# Allegro board BeagleBoard-X15_RevA2.brd (continued)
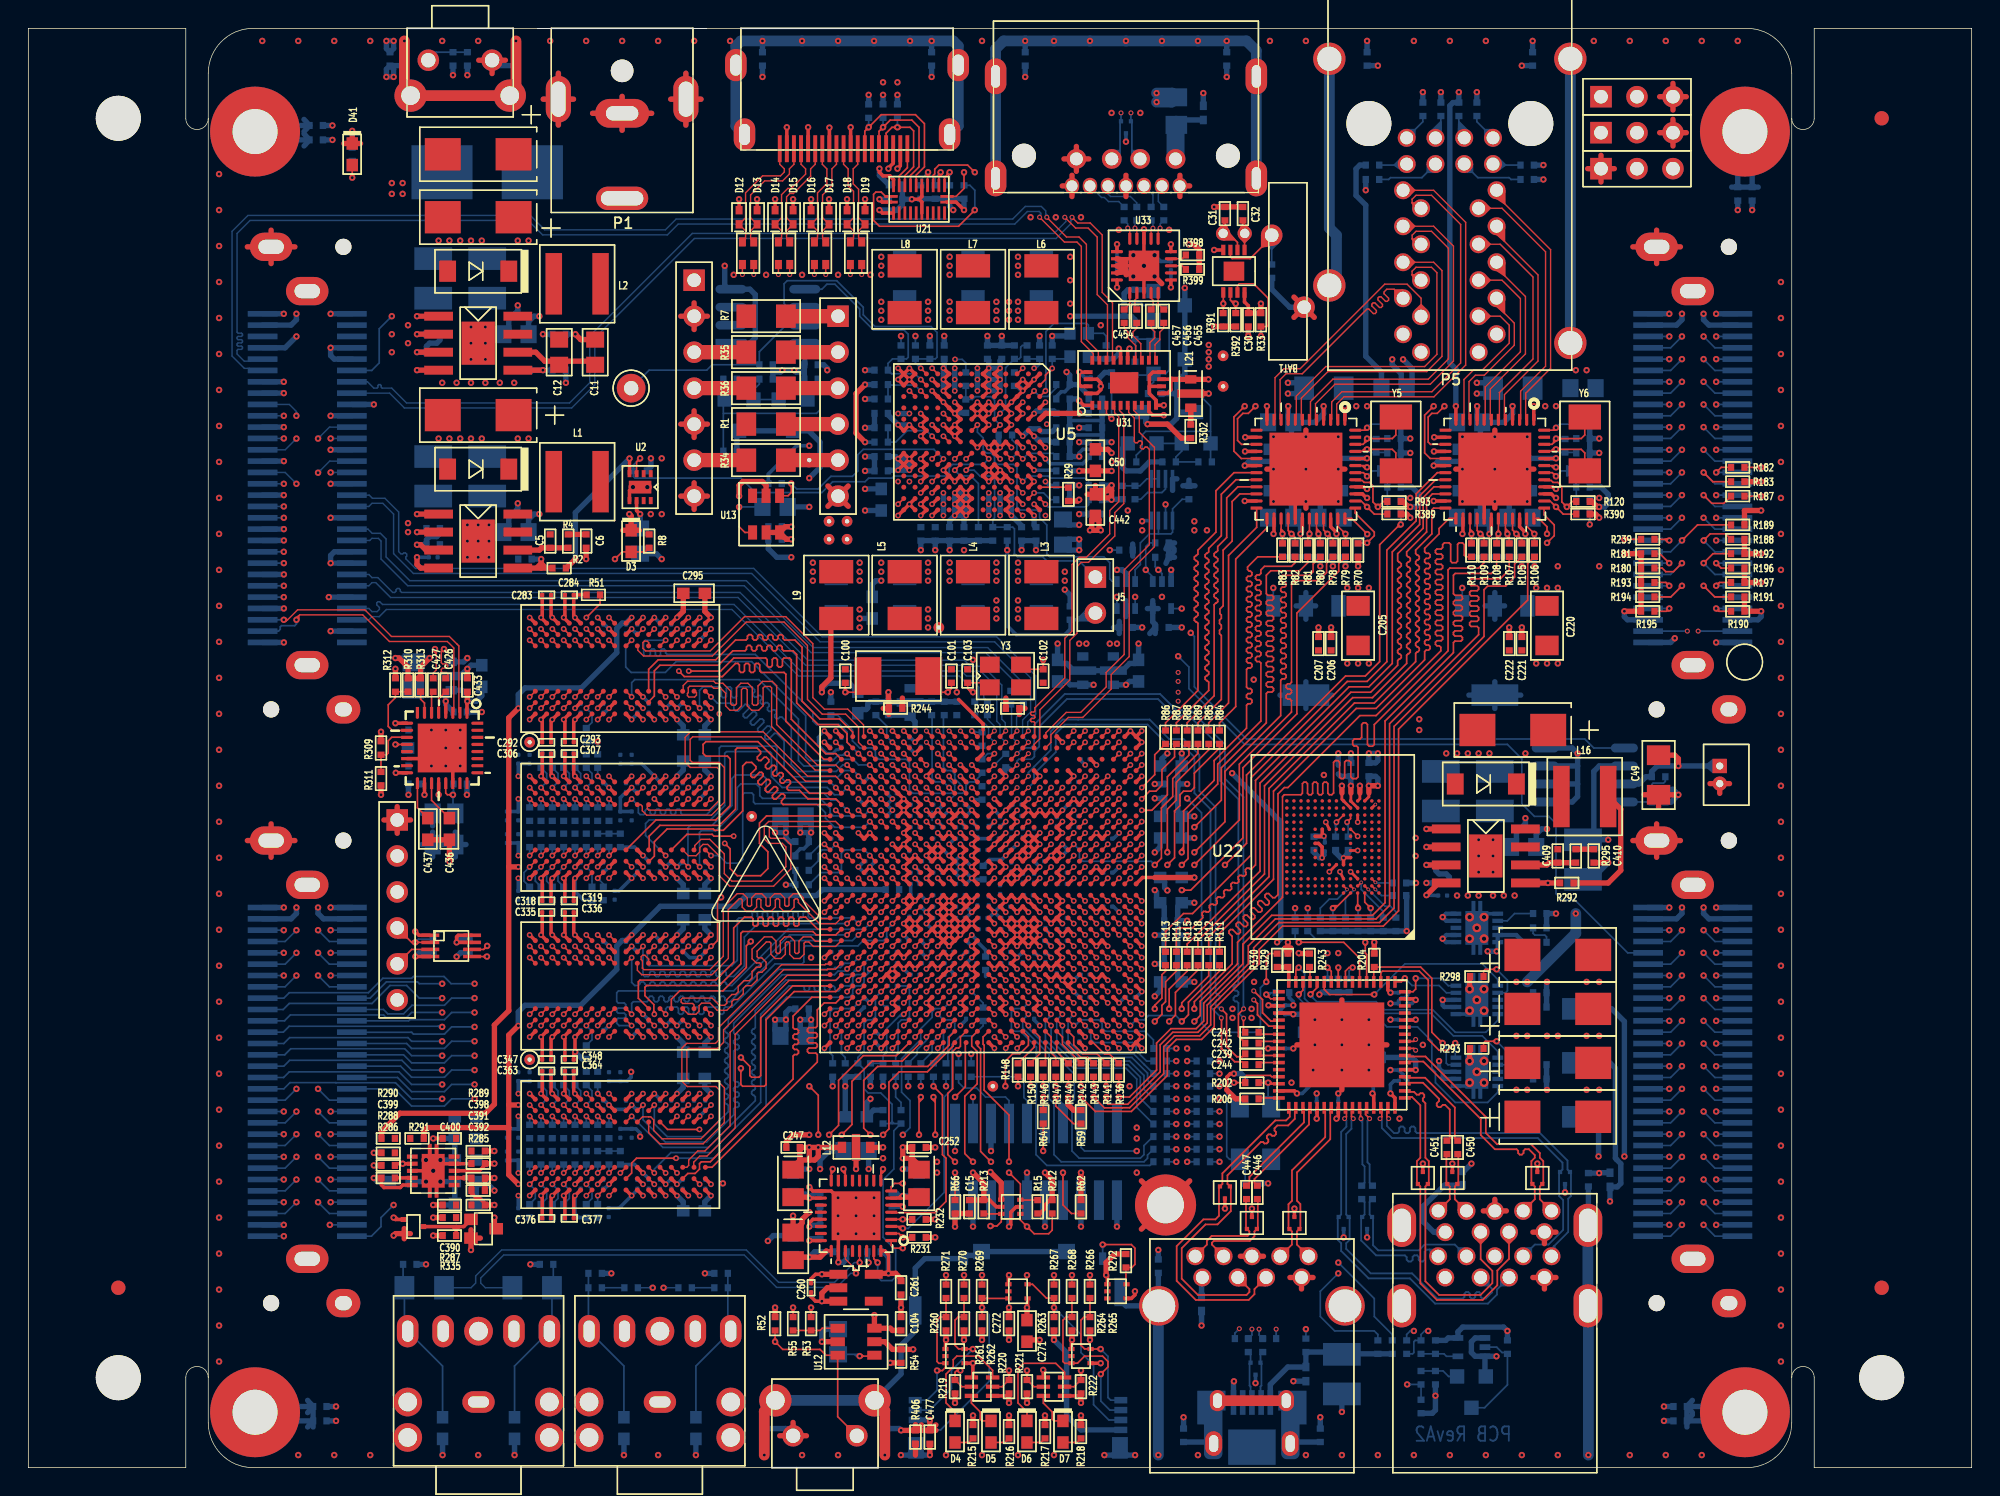
[diagram p0: board, top side]
## Routing (per net, layer and track width the routed paths; a pad name or vN(x,y) marks a point on that pad's centre or on a via; arc(x,y) is an arc through that point) (continued)
DDR2_A2: length 48.8
  TOP w0.12: v1(36.98,24.8) U25.P3 ; v1(36.98,36) U26.P3 ; U11.R28 v1(56.19,41.61)
  INT_L3 w0.094: v1(36.98,24.8) 36.58,25.2 36.58,32.21 37.85,33.48 37.85,34.65 36.98,35.51 v1(36.98,36)
  SIG_L8 w0.094: v1(56.19,41.61) 55.81,41.61 55.73,41.69 55.73,42.34 55.64,42.42 55.53,42.42 55.44,42.34 55.44,41.69 55.36,41.61 55.25,41.61 55.16,41.69 55.16,42.34 55.08,42.42 54.96,42.42 54.88,42.34 54.88,41.69 54.8,41.61 54.68,41.61 54.6,41.69 54.6,42.34 54.52,42.42 54.4,42.42 54.32,42.34 54.32,41.69 54.23,41.61 54.12,41.61 54.03,41.69 54.03,42.34 53.95,42.42 53.84,42.42 53.75,42.34 53.75,41.69 53.67,41.61 53.55,41.61 53.47,41.69 53.47,42.34 53.39,42.42 53.27,42.42 53.19,42.34 53.19,41.69 53.11,41.61 52.53,41.61 52.31,41.39 52.31,41.27 52.44,41.13 52.44,41.01 52.36,40.93 52.25,40.93 52.11,41.07 51.99,41.07 51.91,40.99 51.91,40.87 52.05,40.73 52.05,40.62 51.96,40.53 51.85,40.53 51.71,40.67 51.59,40.67 51.51,40.59 51.51,40.47 51.65,40.33 51.65,40.22 51.56,40.13 51.45,40.13 51.31,40.27 51.19,40.27 51.11,40.19 51.11,40.07 51.25,39.94 51.25,39.82 51.17,39.74 51.05,39.74 50.91,39.87 50.79,39.87 50.71,39.79 50.71,39.67 50.85,39.54 50.85,39.42 50.77,39.34 50.65,39.34 50.51,39.47 50.4,39.47 50.31,39.39 50.31,39.27 50.45,39.14 50.45,39.02 50.37,38.94 50.25,38.94 50.11,39.08 50,39.08 49.91,38.99 49.91,38.88 50.05,38.74 50.05,38.62 49.97,38.54 49.85,38.54 49.72,38.68 49.6,38.68 49.02,38.1 42.16,38.1 41.78,37.72 41.78,36.07 41.28,35.56 38.35,35.56 38.18,35.73 38.18,36.17 37.95,36.4 37.38,36.4 v1(36.98,36)
  BOTTOM w0.12: R346.1 v1(36.98,24.8)
DDR2_A3: length 49.9
  TOP w0.12: v1(37.78,36.8) U26.N2 ; v1(37.78,25.6) U25.N2 ; U11.R27 v1(56.99,41.61)
  SIG_L5 w0.094: v1(37.78,25.6) 38.23,26.05 38.23,26.66 38.1,26.79 38.1,26.94 38.23,27.07 38.23,27.22 38.1,27.35 38.1,27.51 38.23,27.63 38.23,27.79 38.1,27.91 38.1,28.07 38.23,28.2 38.23,28.35 38.1,28.48 38.1,28.63 38.23,28.76 38.23,28.92 38.1,29.04 38.1,29.2 38.23,29.32 38.23,29.48 38.1,29.61 38.1,29.76 38.23,29.89 38.23,32.26 37.38,33.1 37.38,36.28 37.78,36.68 v1(37.78,36.8) 37.82,36.8 38.18,37.17 38.18,37.77 39.66,39.24 48.94,39.24 49.63,39.93 49.63,40.05 49.41,40.27 49.41,40.39 49.49,40.47 49.6,40.47 49.83,40.25 49.94,40.25 50.03,40.33 50.03,40.45 49.8,40.67 49.8,40.79 49.89,40.87 50,40.87 50.22,40.65 50.34,40.65 50.52,40.83 50.52,41.57 50.6,41.66 50.72,41.66 50.8,41.57 50.8,40.83 50.88,40.75 51,40.75 51.08,40.83 51.08,41.57 51.17,41.66 51.28,41.66 51.37,41.57 51.37,40.83 51.45,40.75 51.57,40.75 51.65,40.83 51.65,41.57 51.73,41.66 51.85,41.66 51.93,41.57 51.93,40.83 52.01,40.75 52.13,40.75 52.21,40.83 52.21,41.57 52.29,41.66 52.41,41.66 52.49,41.57 52.49,40.83 52.58,40.75 52.69,40.75 52.78,40.83 52.78,41.57 52.86,41.66 52.98,41.66 53.06,41.57 53.06,40.83 53.14,40.75 53.9,40.75 53.99,40.84 53.99,41.57 54.07,41.66 54.19,41.66 54.27,41.57 54.27,41.23 54.36,41.15 54.47,41.15 54.56,41.23 54.56,41.57 54.64,41.66 54.76,41.66 54.84,41.57 54.84,41.23 54.92,41.15 55.04,41.15 55.12,41.23 55.12,41.57 55.2,41.66 55.32,41.66 55.4,41.57 55.4,41.23 55.48,41.15 56.53,41.15 v1(56.99,41.61)
  BOTTOM w0.12: R344.1 38.18,26.6 38.18,26 v1(37.78,25.6)
DDR2_A4: length 50
  TOP w0.12: U11.P23 v1(60.19,40.01) ; v1(36.98,20) U25.P8 ; v1(36.98,31.2) U26.P8
  SIG_L8 w0.094: v1(60.19,40.01) 60.61,39.58 60.61,39.05 60.83,38.83 61.12,38.83 61.36,38.59 61.36,38.25 61.14,38.03 61.1,37.98 60.83,37.98 60.61,37.76 60.61,37.5 60.56,37.45 60.56,37.45 60.34,37.23 60.3,37.18 60.03,37.18 59.81,36.96 59.81,36.7 59.76,36.65 59.76,36.65 59.54,36.43 59.5,36.38 59.23,36.38 59.01,36.16 59.01,35.9 58.96,35.85 58.96,35.85 58.74,35.63 58.7,35.58 58.43,35.58 58.21,35.36 58.21,35.1 58.16,35.05 58.16,35.05 57.94,34.83 57.91,34.8 57.53,34.8 55.65,32.91 55.65,31.39 54.74,30.48 50.55,30.48 49.02,28.96 40.13,28.96 38.98,30.11 38.98,31.38 38.75,31.6 U26.P8 v1(36.98,31.2) 36.58,30.8 36.58,29.92 37.08,29.42 37.08,27.37 36.58,26.87 36.58,24.33 37.08,23.83 37.08,21.79 36.58,21.29 36.58,20.4 v1(36.98,20)
  BOTTOM w0.12: R347.1 37.38,19 37.38,19.6 v1(36.98,20)
DDR2_A5: length 49.5
  TOP w0.12: U11.P22 v1(60.99,40.01) ; v1(36.98,25.6) U25.P2 ; v1(36.98,36.8) U26.P2
  SIG_L5 w0.094: v1(60.99,40.01) 60.61,40.38 60.61,41.72 60.3,42.03 55.75,42.03 55.66,42.11 55.66,42.34 55.58,42.42 55.46,42.42 55.38,42.34 55.38,42.11 55.3,42.03 55.18,42.03 55.1,42.11 55.1,42.34 55.02,42.42 54.9,42.42 54.82,42.34 54.82,42.11 54.74,42.03 54.62,42.03 54.54,42.11 54.54,42.34 54.45,42.42 54.34,42.42 54.25,42.34 54.25,42.11 54.17,42.03 54.05,42.03 53.97,42.11 53.97,42.34 53.89,42.42 53.77,42.42 53.69,42.34 53.69,42.11 53.61,42.03 53.49,42.03 53.41,42.11 53.41,42.34 53.33,42.42 53.21,42.42 53.13,42.34 53.13,42.11 53.04,42.03 52.93,42.03 52.84,42.11 52.84,42.34 52.76,42.42 52.64,42.42 52.56,42.34 52.56,42.11 52.48,42.03 52.36,42.03 52.28,42.11 52.28,42.34 52.2,42.42 52.08,42.42 52,42.34 52,42.11 51.92,42.03 51.8,42.03 51.72,42.11 51.72,42.34 51.63,42.42 51.52,42.42 51.43,42.34 51.43,42.11 51.35,42.03 51.24,42.03 51.15,42.11 51.15,42.34 51.07,42.42 50.95,42.42 50.87,42.34 50.87,42.11 50.79,42.03 50.16,42.03 48.26,40.13 39.37,40.13 37.38,38.14 37.38,37.26 36.98,36.86 v1(36.98,36.8) 36.98,36.68 36.58,36.28 36.58,33.01 37.34,32.26 37.34,29.87 37.21,29.75 37.21,29.59 37.34,29.46 37.34,29.31 37.21,29.18 37.21,29.03 37.34,28.9 37.34,28.74 37.21,28.62 37.21,28.46 37.34,28.34 37.34,28.18 37.21,28.05 37.21,27.9 37.34,27.77 37.34,27.62 37.21,27.49 37.21,27.34 37.34,27.21 37.34,27.05 37.21,26.93 37.21,26.77 37.34,26.64 37.34,25.96 v1(36.98,25.6)
  BOTTOM w0.12: R345.1 37.38,26.6 37.38,26 v1(36.98,25.6)
DDR2_A6: length 49.5
  TOP w0.12: v1(36.18,20) U25.R8 ; v1(36.18,31.2) U26.R8 ; U11.P25 v1(58.59,40.01)
  SIG_L8 w0.094: v1(58.59,40.01) 58.21,39.63 58.21,38.27 57.92,37.98 55,37.98 54.83,37.81 54.71,37.81 54.55,37.98 54.43,37.98 54.35,37.89 54.35,37.78 54.51,37.61 54.51,37.5 54.43,37.41 54.32,37.41 54.15,37.58 54.04,37.58 53.95,37.49 53.95,37.38 54.12,37.21 54.12,37.1 54.03,37.02 53.92,37.02 53.75,37.18 53.64,37.18 53.55,37.1 53.55,36.98 53.72,36.82 53.72,36.7 53.63,36.62 53.52,36.62 53.35,36.78 53.24,36.78 53.16,36.7 53.16,36.58 53.32,36.42 53.32,36.3 53.24,36.22 53.12,36.22 52.96,36.38 52.84,36.38 52.76,36.3 52.76,36.18 52.92,36.02 52.92,35.9 52.84,35.82 52.72,35.82 52.56,35.98 52.44,35.98 52.36,35.9 52.36,35.78 52.52,35.62 52.52,35.5 52.44,35.42 52.32,35.42 52.16,35.58 52.04,35.58 51.96,35.5 51.96,35.38 52.12,35.22 52.12,35.1 52.04,35.02 51.92,35.02 51.76,35.19 51.64,35.19 51.56,35.1 51.56,34.99 51.72,34.82 51.72,34.71 51.64,34.62 51.52,34.62 51.36,34.79 51.24,34.79 51.16,34.7 51.16,34.59 51.33,34.42 51.33,34.31 51.24,34.22 51.13,34.22 50.96,34.39 50.85,34.39 50.76,34.3 50.76,34.19 50.93,34.03 50.93,33.91 50.67,33.66 37.08,33.66 36.58,33.15 U26.R8 v1(36.18,31.2) 35.78,30.8 35.78,29.92 36.32,29.38 36.32,27.41 35.78,26.87 35.78,24.33 36.2,23.92 36.2,21.7 35.78,21.29 35.78,20.4 v1(36.18,20)
  BOTTOM w0.12: v1(36.18,20) 36.58,19.6 36.58,19 R338.1
DDR2_A7: length 50.1
  TOP w0.12: v1(36.18,25.6) U25.R2 ; U11.N20 v1(62.59,39.21) ; v1(36.18,36.8) U26.R2
  SIG_L5 w0.094: v1(62.59,39.21) 62.21,39.58 62.21,41.72 61.94,41.98 60.83,41.98 60.58,42.24 60.58,42.55 60.56,42.56 60.56,42.56 60.34,42.78 60.33,42.8 54.8,42.8 54.72,42.88 54.72,42.97 54.63,43.05 54.52,43.05 54.43,42.97 54.43,42.88 54.35,42.8 54.24,42.8 54.15,42.88 54.15,42.97 54.07,43.05 53.95,43.05 53.87,42.97 53.87,42.88 53.79,42.8 53.67,42.8 53.59,42.88 53.59,42.97 53.51,43.05 53.39,43.05 53.31,42.97 53.31,42.88 53.22,42.8 53.11,42.8 53.02,42.88 53.02,42.97 52.94,43.05 52.83,43.05 52.74,42.97 52.74,42.88 52.66,42.8 52.54,42.8 52.46,42.88 52.46,42.97 52.38,43.05 52.26,43.05 52.18,42.97 52.18,42.88 52.1,42.8 51.98,42.8 51.9,42.88 51.9,42.97 51.81,43.05 51.7,43.05 51.62,42.97 51.62,42.88 51.53,42.8 50.42,42.8 48.13,40.51 39.12,40.51 36.58,37.98 36.58,37.22 36.18,36.82 v1(36.18,36.8) 36.18,36.56 36.02,36.4 36.02,36.4 35.78,36.17 35.78,33.05 36.58,32.26 36.58,29.9 36.45,29.78 36.45,29.62 36.58,29.49 36.58,29.34 36.45,29.21 36.45,29.06 36.58,28.93 36.58,28.78 36.45,28.65 36.45,28.49 36.58,28.37 36.58,28.21 36.45,28.09 36.45,27.93 36.58,27.8 36.58,27.65 36.45,27.52 36.45,27.37 36.58,27.24 36.58,27.08 36.45,26.96 36.45,26.8 36.58,26.68 36.58,26 v1(36.18,25.6)
  BOTTOM w0.12: R358.1 36.58,26.6 36.58,26 v1(36.18,25.6)
DDR2_A8: length 49.8
  TOP w0.12: v1(35.38,31.2) U26.T8 ; U11.P27 v1(56.99,40.01) ; v1(35.38,20) U25.T8
  SIG_L8 w0.094: v1(56.99,40.01) 57.4,39.59 57.4,39.09 57.14,38.83 55.88,38.83 55.46,39.24 54.74,39.24 50.67,35.18 50.3,35.18 50.22,35.1 50.22,34.88 50.14,34.8 50.02,34.8 49.94,34.88 49.94,35.1 49.85,35.18 49.74,35.18 49.65,35.1 49.65,34.88 49.57,34.8 49.46,34.8 49.37,34.88 49.37,35.1 49.29,35.18 49.17,35.18 49.09,35.1 49.09,34.88 49.01,34.8 48.89,34.8 48.81,34.88 48.81,35.1 48.73,35.18 48.61,35.18 48.53,35.1 48.53,34.88 48.44,34.8 48.33,34.8 48.24,34.88 48.24,35.1 48.16,35.18 48.05,35.18 47.96,35.1 47.96,34.88 47.88,34.8 47.76,34.8 47.68,34.88 47.68,35.1 47.6,35.18 47.48,35.18 47.4,35.1 47.4,34.88 47.32,34.8 47.2,34.8 47.12,34.88 47.12,35.1 47.03,35.18 46.92,35.18 46.84,35.1 46.84,34.88 46.75,34.8 46.64,34.8 46.55,34.88 46.55,35.1 46.47,35.18 46.35,35.18 46.27,35.1 46.27,34.88 46.19,34.8 46.07,34.8 45.99,34.88 45.99,35.1 45.91,35.18 45.79,35.18 45.71,35.1 45.71,34.88 45.62,34.8 45.51,34.8 45.43,34.88 45.43,35.1 45.34,35.18 45.23,35.18 45.14,35.1 45.14,34.88 45.06,34.8 44.94,34.8 44.86,34.88 44.86,35.1 44.78,35.18 44.66,35.18 44.58,35.1 44.58,34.88 44.5,34.8 44.38,34.8 44.3,34.88 44.3,35.1 44.21,35.18 43.43,35.18 42.61,34.35 36.64,34.35 35.78,33.5 U26.T8 v1(35.38,31.2) 34.98,30.8 34.98,30.05 34.54,29.61 34.54,27.31 34.98,26.87 34.98,24.46 35.43,24.01 35.43,21.74 34.98,21.29 34.98,20.4 v1(35.38,20)
  BOTTOM w0.12: v1(35.38,20) 35.78,19.6 35.78,19 R359.1
DDR2_A9: length 48.4
  TOP w0.12: U11.N27 v1(56.99,39.21) ; v1(36.18,24.8) U25.R3 ; v1(36.18,36) U26.R3
  INT_L3 w0.094: v1(36.18,36) 36.18,35.51 37.08,34.61 37.08,33.48 35.78,32.18 35.78,25.2 v1(36.18,24.8)
  SIG_L8 w0.094: v1(56.99,39.21) 56.61,39.58 53.68,39.58 53.49,39.39 53.49,39.27 53.81,38.95 53.81,38.83 53.73,38.75 53.61,38.75 53.29,39.07 53.17,39.07 53.09,38.99 53.09,38.87 53.42,38.55 53.42,38.43 53.33,38.35 53.22,38.35 52.89,38.67 52.77,38.67 52.69,38.59 52.69,38.48 53.02,38.15 53.02,38.03 52.93,37.95 52.82,37.95 52.49,38.28 52.37,38.28 52.29,38.19 52.29,38.08 52.62,37.75 52.62,37.63 52.54,37.55 52.42,37.55 52.09,37.88 51.97,37.88 51.89,37.79 51.89,37.68 52.22,37.35 52.22,37.23 52.14,37.15 52.02,37.15 51.69,37.48 51.58,37.48 51.49,37.4 51.49,37.28 51.82,36.95 51.82,36.83 51.74,36.75 51.62,36.75 51.42,36.95 51.3,36.95 51.22,36.87 51.22,36.75 51.42,36.55 51.42,36.44 51.34,36.35 51.22,36.35 50.89,36.68 50.78,36.68 50.7,36.6 50.7,36.48 51.02,36.15 51.02,36.04 50.94,35.95 50.82,35.95 50.5,36.28 50.38,36.28 50.3,36.2 50.3,36.08 50.62,35.76 50.62,35.64 50.54,35.56 50.43,35.56 50.1,35.88 49.98,35.88 49.66,35.56 43.31,35.56 42.42,34.67 36.2,34.67 35.81,35.05 35.81,35.64 v1(36.18,36)
  BOTTOM w0.12: R336.1 v1(36.18,24.8)
DDR2_A10: length 48
  TOP w0.12: U11.N23 v1(60.19,39.21) ; v1(39.38,20.8) U25.L7 ; v1(39.38,32) U26.L7
  SIG_L8 w0.094: v1(60.19,39.21) 60.19,39 60.58,38.61 60.58,38.26 60.34,38.03 60.03,38.03 59.76,37.76 59.76,37.45 59.54,37.23 59.23,37.23 58.16,36.16 58.16,35.85 57.94,35.63 57.47,35.63 56.32,34.48 56.2,34.48 55.94,34.74 55.82,34.74 55.74,34.66 55.74,34.54 56,34.28 56,34.16 55.92,34.08 55.8,34.08 55.54,34.34 55.42,34.34 55.34,34.26 55.34,34.14 55.6,33.88 55.6,33.76 55.52,33.68 55.41,33.68 55.14,33.94 55.02,33.94 54.94,33.86 54.94,33.74 55.21,33.48 55.21,33.36 55.12,33.28 55.01,33.28 54.74,33.54 54.63,33.54 54.54,33.46 54.54,33.34 54.81,33.08 54.81,32.96 54.72,32.88 54.61,32.88 54.34,33.14 54.23,33.14 54.14,33.06 54.14,32.95 54.41,32.68 54.41,32.56 53.98,32.13 53.98,31.24 53.72,30.99 50.29,30.99 48.64,29.34 40.26,29.34 39.78,29.81 39.78,31.6 v1(39.38,32)
  SIG_L10 w0.094: v1(39.38,32) 38.98,31.6 38.98,30.12 39.43,29.67 39.43,27.25 38.98,26.8 38.98,24.4 39.43,23.95 39.43,21.99 38.98,21.54 38.98,21.2 v1(39.38,20.8)
  BOTTOM w0.12: R340.1 v1(39.38,20.8)
DDR2_A11: length 48.3
  TOP w0.12: U11.P26 v1(57.79,40.01) ; v1(36.18,32) U26.R7 ; v1(36.18,20.8) U25.R7
  SIG_L8 w0.094: v1(36.18,32) 36.2,32.02 36.2,33.27 36.96,34.04 42.8,34.04 43.48,34.72 43.64,34.72 43.74,34.62 43.74,34.12 43.82,34.04 43.94,34.04 44.02,34.12 44.02,34.33 44.1,34.42 44.22,34.42 44.3,34.33 44.3,34.12 44.38,34.04 44.5,34.04 44.58,34.12 44.58,34.33 44.67,34.42 44.78,34.42 44.87,34.33 44.87,34.12 44.95,34.04 45.06,34.04 45.15,34.12 45.15,34.33 45.23,34.42 45.35,34.42 45.43,34.33 45.43,34.12 45.51,34.04 45.63,34.04 45.71,34.12 45.71,34.33 45.79,34.42 45.91,34.42 45.99,34.33 45.99,34.12 46.08,34.04 46.19,34.04 46.28,34.12 46.28,34.33 46.36,34.42 46.47,34.42 46.56,34.33 46.56,34.12 46.64,34.04 46.76,34.04 46.84,34.12 46.84,34.33 46.92,34.42 47.04,34.42 47.12,34.33 47.12,34.12 47.2,34.04 47.32,34.04 47.4,34.12 47.4,34.33 47.49,34.42 47.6,34.42 47.68,34.33 47.68,34.12 47.77,34.04 47.88,34.04 47.97,34.12 47.97,34.33 48.05,34.42 48.17,34.42 48.25,34.33 48.25,34.12 48.33,34.04 48.45,34.04 48.53,34.12 48.53,34.33 48.61,34.42 48.73,34.42 48.81,34.33 48.81,34.12 48.9,34.04 49.01,34.04 49.09,34.12 49.09,34.33 49.18,34.42 49.29,34.42 49.38,34.33 49.38,34.12 49.46,34.04 49.58,34.04 49.66,34.12 49.66,34.33 49.74,34.42 49.86,34.42 49.94,34.33 49.94,34.12 50.02,34.04 50.14,34.04 50.22,34.12 50.22,34.22 54.86,38.86 55.37,38.86 55.75,38.48 57.33,38.48 57.79,38.94 v1(57.79,40.01)
  SIG_L10 w0.094: v1(36.18,32) 35.78,31.6 35.78,28.47 36.23,28.02 36.23,27.25 35.78,26.8 35.78,24.4 36.23,23.95 36.23,21.99 35.78,21.54 35.78,21.2 v1(36.18,20.8)
  BOTTOM w0.12: R337.1 v1(36.18,20.8)
DDR2_A12: length 48.5
  TOP w0.12: v1(37.78,20.8) U25.N7 ; U11.N28 v1(56.19,39.21) ; v1(37.78,32) U26.N7
  SIG_L8 w0.094: v1(37.78,32) 38.67,32.89 40.7,32.89 40.78,32.81 40.78,32.59 40.86,32.51 40.98,32.51 41.06,32.59 41.06,32.81 41.14,32.89 41.26,32.89 41.34,32.81 41.34,32.59 41.42,32.51 41.54,32.51 41.62,32.59 41.62,32.81 41.71,32.89 41.82,32.89 41.91,32.81 41.91,32.59 41.99,32.51 42.1,32.51 42.19,32.59 42.19,32.81 42.27,32.89 42.39,32.89 42.47,32.81 42.47,32.59 42.55,32.51 42.67,32.51 42.75,32.59 42.75,32.81 42.83,32.89 42.95,32.89 43.03,32.81 43.03,32.59 43.12,32.51 43.23,32.51 43.32,32.59 43.32,32.81 43.4,32.89 43.51,32.89 43.6,32.81 43.6,32.59 43.68,32.51 43.8,32.51 43.88,32.59 43.88,32.81 43.96,32.89 44.08,32.89 44.16,32.81 44.16,32.59 44.24,32.51 44.36,32.51 44.44,32.59 44.44,32.81 44.53,32.89 44.64,32.89 44.73,32.81 44.73,32.59 44.81,32.51 44.92,32.51 45.01,32.59 45.01,32.81 45.09,32.89 45.21,32.89 45.29,32.81 45.29,32.59 45.37,32.51 45.49,32.51 45.57,32.59 45.57,32.81 45.65,32.89 45.77,32.89 45.85,32.81 45.85,32.59 45.94,32.51 46.05,32.51 46.13,32.59 46.13,32.81 46.22,32.89 46.33,32.89 46.42,32.81 46.42,32.59 46.5,32.51 46.62,32.51 46.7,32.59 46.7,32.81 46.78,32.89 46.9,32.89 46.98,32.81 46.98,32.59 47.06,32.51 47.18,32.51 47.26,32.59 47.26,32.81 47.35,32.89 47.46,32.89 47.54,32.81 47.54,32.59 47.63,32.51 47.74,32.51 47.83,32.59 47.83,32.81 47.91,32.89 48.03,32.89 48.11,32.81 48.11,32.59 48.19,32.51 48.31,32.51 48.39,32.59 48.39,32.81 48.47,32.89 48.59,32.89 48.67,32.81 48.67,32.59 48.75,32.51 48.87,32.51 48.95,32.59 48.95,32.81 49.04,32.89 49.15,32.89 49.24,32.81 49.24,32.59 49.32,32.51 49.44,32.51 49.52,32.59 49.52,32.81 49.6,32.89 49.72,32.89 49.8,32.81 49.8,32.59 49.88,32.51 50,32.51 50.08,32.59 50.08,32.81 50.16,32.89 50.28,32.89 50.36,32.81 50.36,32.59 50.45,32.51 50.56,32.51 50.65,32.59 50.65,32.81 50.73,32.89 50.85,32.89 50.93,32.81 50.93,32.59 51.01,32.51 51.13,32.51 51.21,32.59 51.21,32.81 51.29,32.89 51.41,32.89 51.49,32.81 51.49,32.59 51.57,32.51 51.75,32.51 v2(55.25,36.01)
  SIG_L10 w0.094: v1(37.78,20.8) 37.38,21.2 37.38,21.54 37.83,21.99 37.83,23.95 37.38,24.4 37.38,26.8 37.83,27.25 37.83,28.02 37.38,28.47 37.38,31.6 v1(37.78,32) ; v1(56.19,39.21) 56.19,36.95 v2(55.25,36.01)
  BOTTOM w0.12: R354.1 v1(37.78,20.8)
DDR2_A13: length 48.7
  TOP w0.12: v1(35.38,36) U26.T3 ; v1(35.38,24.8) U25.T3 ; U11.T22 v1(60.99,42.41)
  INT_L3 w0.094: v1(35.38,36) 35.38,35.56 36.32,34.62 36.32,33.51 34.98,32.17 34.98,25.2 v1(35.38,24.8)
  SIG_L5 w0.094: v1(60.99,42.41) 60.99,42.67 60.61,43.05 60.61,43.32 60.34,43.58 55.24,43.58 55.16,43.66 55.16,43.86 55.08,43.94 54.96,43.94 54.88,43.86 54.88,43.66 54.8,43.58 54.68,43.58 54.6,43.66 54.6,43.86 54.51,43.94 54.4,43.94 54.31,43.86 54.31,43.66 54.23,43.58 54.11,43.58 54.03,43.66 54.03,43.86 53.95,43.94 53.83,43.94 53.75,43.86 53.75,43.66 53.67,43.58 53.55,43.58 53.47,43.66 53.47,43.86 53.39,43.94 53.27,43.94 53.19,43.86 53.19,43.66 53.1,43.58 52.99,43.58 52.9,43.66 52.9,43.86 52.82,43.94 52.71,43.94 52.62,43.86 52.62,43.66 52.54,43.58 52.42,43.58 52.34,43.66 52.34,43.86 52.26,43.94 52.14,43.94 52.06,43.86 52.06,43.66 51.98,43.58 51.86,43.58 51.78,43.66 51.78,43.86 51.69,43.94 51.58,43.94 51.49,43.86 51.49,43.66 51.41,43.58 50.69,43.58 48.01,40.89 38.73,40.89 35.78,37.94 35.78,36.64 35.38,36.24 v1(35.38,36)
  BOTTOM w0.12: R357.1 v1(35.38,24.8)
DDR2_A14: length 48.5
  TOP w0.12: v1(35.38,20.8) U25.T7 ; v1(35.38,32) U26.T7 ; U11.R22 v1(60.99,41.61)
  SIG_L10 w0.094: v1(35.38,20.8) 34.98,21.2 34.98,21.54 35.43,21.99 35.43,23.95 34.98,24.4 34.98,26.8 35.43,27.25 35.43,28.02 34.98,28.47 34.98,31.6 v1(35.38,32) 38.43,35.05 40.64,35.05 41.78,36.2 41.78,37.47 45.09,40.77 51.75,40.77 55.75,44.77 55.75,44.96 55.98,45.18 57.63,45.18 59.23,43.58 59.54,43.58 59.76,43.36 59.76,43.05 60.03,42.78 60.34,42.78 60.56,42.56 60.56,42.03 v1(60.99,41.61)
  BOTTOM w0.12: R339.1 v1(35.38,20.8)
DDR2_A15: length 48.2
  TOP w0.12: U11.U22 v1(60.99,43.21) ; v1(38.58,20.8) U25.M7 ; v1(38.58,32) U26.M7
  SIG_L8 w0.094: v1(60.99,43.21) 60.58,42.8 60.58,41.02 59.81,40.25 59.81,38.29 59.54,38.03 59.24,38.03 58.96,37.75 58.96,37.45 58.74,37.23 58.44,37.23 57.64,36.43 56.75,36.43 56.56,36.24 56.56,35.35 56.39,35.18 55.12,35.18 51.44,31.5 50.04,31.5 48.26,29.72 40.89,29.72 40.58,30.03 40.58,32.32 40.39,32.51 39.09,32.51 v1(38.58,32)
  SIG_L10 w0.094: v1(38.58,20.8) 38.18,21.2 38.18,21.54 38.63,21.99 38.63,23.95 38.18,24.4 38.18,26.8 38.63,27.25 38.63,28.02 38.18,28.47 38.18,31.45 38.58,31.85 v1(38.58,32)
  BOTTOM w0.12: R342.1 v1(38.58,20.8)
DDR2_BA0: length 48.5
  TOP w0.12: v1(38.58,25.6) U25.M2 ; U11.U23 v1(60.19,43.21) ; v1(38.58,36.8) U26.M2
  SIG_L5 w0.094: v1(38.58,25.6) 38.94,25.97 38.94,32.3 38.18,33.06 38.18,36.28 38.58,36.68 v1(38.58,36.8)
  SIG_L8 w0.094: v1(38.58,36.8) 38.18,37.2 38.18,39.07 40.26,41.15 48.39,41.15 48.77,41.53 48.77,42.16 49.26,42.65 49.26,42.77 49.05,42.97 49.05,43.09 49.14,43.17 49.25,43.17 49.45,42.97 49.57,42.97 49.65,43.05 49.65,43.17 49.45,43.37 49.45,43.48 49.54,43.57 49.65,43.57 49.85,43.37 49.97,43.37 50.05,43.45 50.05,43.57 49.85,43.77 49.85,43.88 49.93,43.97 50.05,43.97 50.25,43.76 50.37,43.76 50.45,43.85 50.45,43.96 50.25,44.16 50.25,44.28 50.33,44.36 50.45,44.36 50.65,44.16 50.77,44.16 50.85,44.25 50.85,44.36 50.65,44.56 50.65,44.68 50.73,44.76 50.85,44.76 51.05,44.56 51.17,44.56 51.25,44.64 51.25,44.76 51.05,44.96 51.05,45.08 51.13,45.16 51.25,45.16 51.45,44.96 51.57,44.96 51.84,45.23 59.22,45.23 59.23,45.23 59.5,45.23 60.19,44.54 v1(60.19,43.21)
  BOTTOM w0.12: v1(38.58,25.6) 38.98,26 38.98,26.6 R350.1
DDR2_BA1: length 49.5
  TOP w0.12: U11.U27 v1(56.99,43.21) ; v1(37.78,20) U25.N8 ; v1(37.78,31.2) U26.N8
  SIG_L8 w0.094: v1(37.78,20) 37.38,20.4 37.38,21.29 37.85,21.75 37.85,23.87 37.38,24.33 37.38,26.87 37.85,27.34 37.85,29.46 37.38,29.92 37.38,30.8 v1(37.78,31.2)
  SIG_L10 w0.094: v1(37.78,31.2) 37.78,31.43 38.18,31.83 38.18,32.21 42.37,36.4 42.75,36.4 42.98,36.64 42.98,36.97 43.22,37.2 43.55,37.2 43.78,37.44 43.78,37.77 45.51,39.5 45.88,39.5 45.97,39.41 45.97,38.94 46.05,38.86 46.17,38.86 46.25,38.94 46.25,39.41 46.33,39.5 46.45,39.5 46.53,39.41 46.53,38.94 46.61,38.86 46.73,38.86 46.81,38.94 46.81,39.41 46.9,39.5 47.01,39.5 47.09,39.41 47.09,38.94 47.18,38.86 47.29,38.86 47.38,38.94 47.38,39.41 47.46,39.5 47.58,39.5 47.66,39.41 47.66,38.94 47.74,38.86 47.86,38.86 47.94,38.94 47.94,39.41 48.02,39.5 48.14,39.5 48.22,39.41 48.22,38.94 48.3,38.86 48.42,38.86 48.5,38.94 48.5,39.41 48.59,39.5 48.7,39.5 48.79,39.41 48.79,38.94 48.87,38.86 48.99,38.86 49.07,38.94 49.07,39.41 49.15,39.5 49.27,39.5 49.35,39.41 49.35,38.94 49.43,38.86 49.55,38.86 49.63,38.94 49.63,39.41 49.71,39.5 51.05,39.5 55.94,44.38 56.34,44.38 56.56,44.16 56.56,43.89 56.99,43.47 v1(56.99,43.21)
  BOTTOM w0.12: R353.1 38.18,19 38.18,19.6 v1(37.78,20)
DDR2_BA2: length 49.2
  TOP w0.12: U11.U26 v1(57.79,43.21) ; v1(38.58,24.8) U25.M3 ; v1(38.58,36) U26.M3
  INT_L3 w0.094: v1(38.58,36) 38.58,35.51 39.37,34.72 39.37,33.48 38.18,32.29 38.18,25.2 v1(38.58,24.8)
  SIG_L8 w0.094: v1(57.79,43.21) 57.81,43.21 58.17,43.56 58.17,44.2 57.93,44.43 52.3,44.43 52.08,44.21 51.96,44.21 51.7,44.47 51.58,44.47 51.5,44.39 51.5,44.27 51.76,44.01 51.76,43.89 51.68,43.81 51.56,43.81 51.3,44.07 51.18,44.07 51.1,43.99 51.1,43.87 51.36,43.61 51.36,43.49 51.28,43.41 51.16,43.41 50.9,43.67 50.78,43.67 50.7,43.59 50.7,43.47 50.97,43.21 50.97,43.09 50.88,43.01 50.77,43.01 50.5,43.27 50.39,43.27 50.3,43.19 50.3,43.07 50.57,42.81 50.57,42.69 50.48,42.61 50.37,42.61 50.1,42.87 49.99,42.87 49.9,42.79 49.9,42.68 50.17,42.41 50.17,42.29 50.09,42.21 49.97,42.21 49.7,42.48 49.59,42.48 49.51,42.39 49.51,42.28 49.77,42.01 49.77,41.9 49.69,41.81 49.57,41.81 49.31,42.08 49.19,42.08 49.11,41.99 49.11,41.88 49.37,41.61 49.37,41.5 48.77,40.89 41.15,40.89 40.73,40.47 40.61,40.47 40.41,40.67 40.29,40.67 40.21,40.59 40.21,40.47 40.41,40.27 40.41,40.16 40.33,40.07 40.21,40.07 40.01,40.27 39.89,40.27 39.81,40.19 39.81,40.08 40.01,39.87 40.01,39.76 39.93,39.68 39.81,39.68 39.61,39.88 39.49,39.88 39.41,39.79 39.41,39.68 39.61,39.48 39.61,39.36 39.53,39.28 39.41,39.28 39.21,39.48 39.1,39.48 39.01,39.39 39.01,39.28 39.21,39.08 39.21,38.96 38.98,38.73 38.98,36.4 v1(38.58,36)
  BOTTOM w0.12: R352.1 v1(38.58,24.8)
DDR2_CASN: length 49
  TOP w0.12: v1(40.18,36) U26.K3 ; U11.U28 v1(56.19,43.21) ; v1(40.18,24.8) U25.K3
  INT_L3 w0.094: v1(40.18,36) 40.18,35.71 40.89,35 40.89,32.65 40.58,32.33 40.58,30.23 41.02,29.79 41.02,28.14 39.78,26.9 39.78,25.2 v1(40.18,24.8)
  SIG_L8 w0.094: v1(56.19,43.21) 55.6,43.21 55.12,43.69 52.58,43.69 49.28,40.39 49.28,39.5 48.64,38.86 47.55,38.86 47.47,38.94 47.47,39.41 47.39,39.5 47.27,39.5 47.19,39.41 47.19,38.94 47.11,38.86 46.99,38.86 46.91,38.94 46.91,39.41 46.82,39.5 46.71,39.5 46.62,39.41 46.62,38.94 46.54,38.86 46.43,38.86 46.34,38.94 46.34,39.41 46.26,39.5 46.14,39.5 46.06,39.41 46.06,38.94 45.98,38.86 45.86,38.86 45.78,38.94 45.78,39.41 45.7,39.5 45.58,39.5 45.5,39.41 45.5,38.94 45.41,38.86 45.3,38.86 45.22,38.94 45.22,39.41 45.13,39.5 45.02,39.5 44.93,39.41 44.93,38.94 44.85,38.86 44.73,38.86 44.65,38.94 44.65,39.41 44.57,39.5 44.45,39.5 44.37,39.41 44.37,38.94 44.29,38.86 44.17,38.86 44.09,38.94 44.09,39.41 44,39.5 43.89,39.5 43.81,39.41 43.81,38.94 43.72,38.86 43.61,38.86 43.52,38.94 43.52,39.41 43.44,39.5 43.32,39.5 43.24,39.41 43.24,38.94 43.16,38.86 43.04,38.86 42.96,38.94 42.96,39.41 42.88,39.5 42.76,39.5 42.68,39.41 42.68,38.94 42.6,38.86 42.48,38.86 42.4,38.94 42.4,39.41 42.31,39.5 42.2,39.5 42.11,39.41 42.11,38.94 42.03,38.86 41.91,38.86 41.83,38.94 41.83,39.41 41.75,39.5 41.63,39.5 41.55,39.41 41.55,38.94 41.47,38.86 41.35,38.86 41.27,38.94 41.27,39.41 41.19,39.5 40.89,39.5 40.58,39.19 40.58,36.4 v1(40.18,36)
  BOTTOM w0.12: R349.1 v1(40.18,24.8)
DDR2_CKE: length 54.3
  TOP w0.12: v1(40.18,30.4) U26.K9 ; U11.U24 v1(59.39,43.21) ; v1(40.18,19.2) U25.K9
  SIG_L10 w0.094: v1(40.18,19.2) 39.78,19.6 39.78,21.54 40.13,21.89 40.13,23.98 39.78,24.33 39.78,26.75 40.26,27.22 40.26,28.05 39.78,28.52 39.78,30 v1(40.18,30.4) 40.18,30.43 39.78,30.83 39.78,32.92 42.29,35.43 48.77,35.43 50.25,36.91 50.25,37.03 50.05,37.23 50.05,37.35 50.13,37.43 50.24,37.43 50.45,37.23 50.56,37.23 50.64,37.31 50.64,37.43 50.44,37.63 50.44,37.74 50.53,37.83 50.64,37.83 50.84,37.63 50.96,37.63 51.04,37.71 51.04,37.83 50.84,38.03 50.84,38.14 50.93,38.23 51.04,38.23 51.24,38.02 51.36,38.02 51.44,38.11 51.44,38.22 51.24,38.42 51.24,38.54 51.32,38.62 51.44,38.62 51.64,38.42 51.76,38.42 51.84,38.51 51.84,38.62 51.64,38.82 51.64,38.94 51.72,39.02 51.84,39.02 52.04,38.82 52.16,38.82 52.24,38.9 52.24,39.02 52.04,39.22 52.04,39.34 52.12,39.42 52.24,39.42 52.44,39.22 52.56,39.22 52.64,39.3 52.64,39.42 52.44,39.62 52.44,39.74 52.52,39.82 52.64,39.82 52.84,39.62 52.95,39.62 53.04,39.7 53.04,39.82 52.84,40.02 52.84,40.14 52.92,40.22 53.04,40.22 53.24,40.02 53.35,40.02 53.98,40.64 53.98,41.66 55.95,43.63 56.32,43.63 56.61,43.34 56.61,43.05 56.83,42.83 59.01,42.83 v1(59.39,43.21)
  BOTTOM w0.12: R334.1 55.94,42.01 57.15,42.01 57.39,42.24 57.39,43.37 57.62,43.61 59.01,43.61 59.39,43.23 v1(59.39,43.21) ; R348.1 v1(40.18,19.2)
DDR2_CLK0: length 48.9
  TOP w0.12: U11.T28 v1(56.19,42.41) ; v1(40.98,32) U26.J7 ; v1(40.98,20.8) U25.J7